# Altium PCB Backend_v2.PcbDoc (part 2 of 3) (continued)
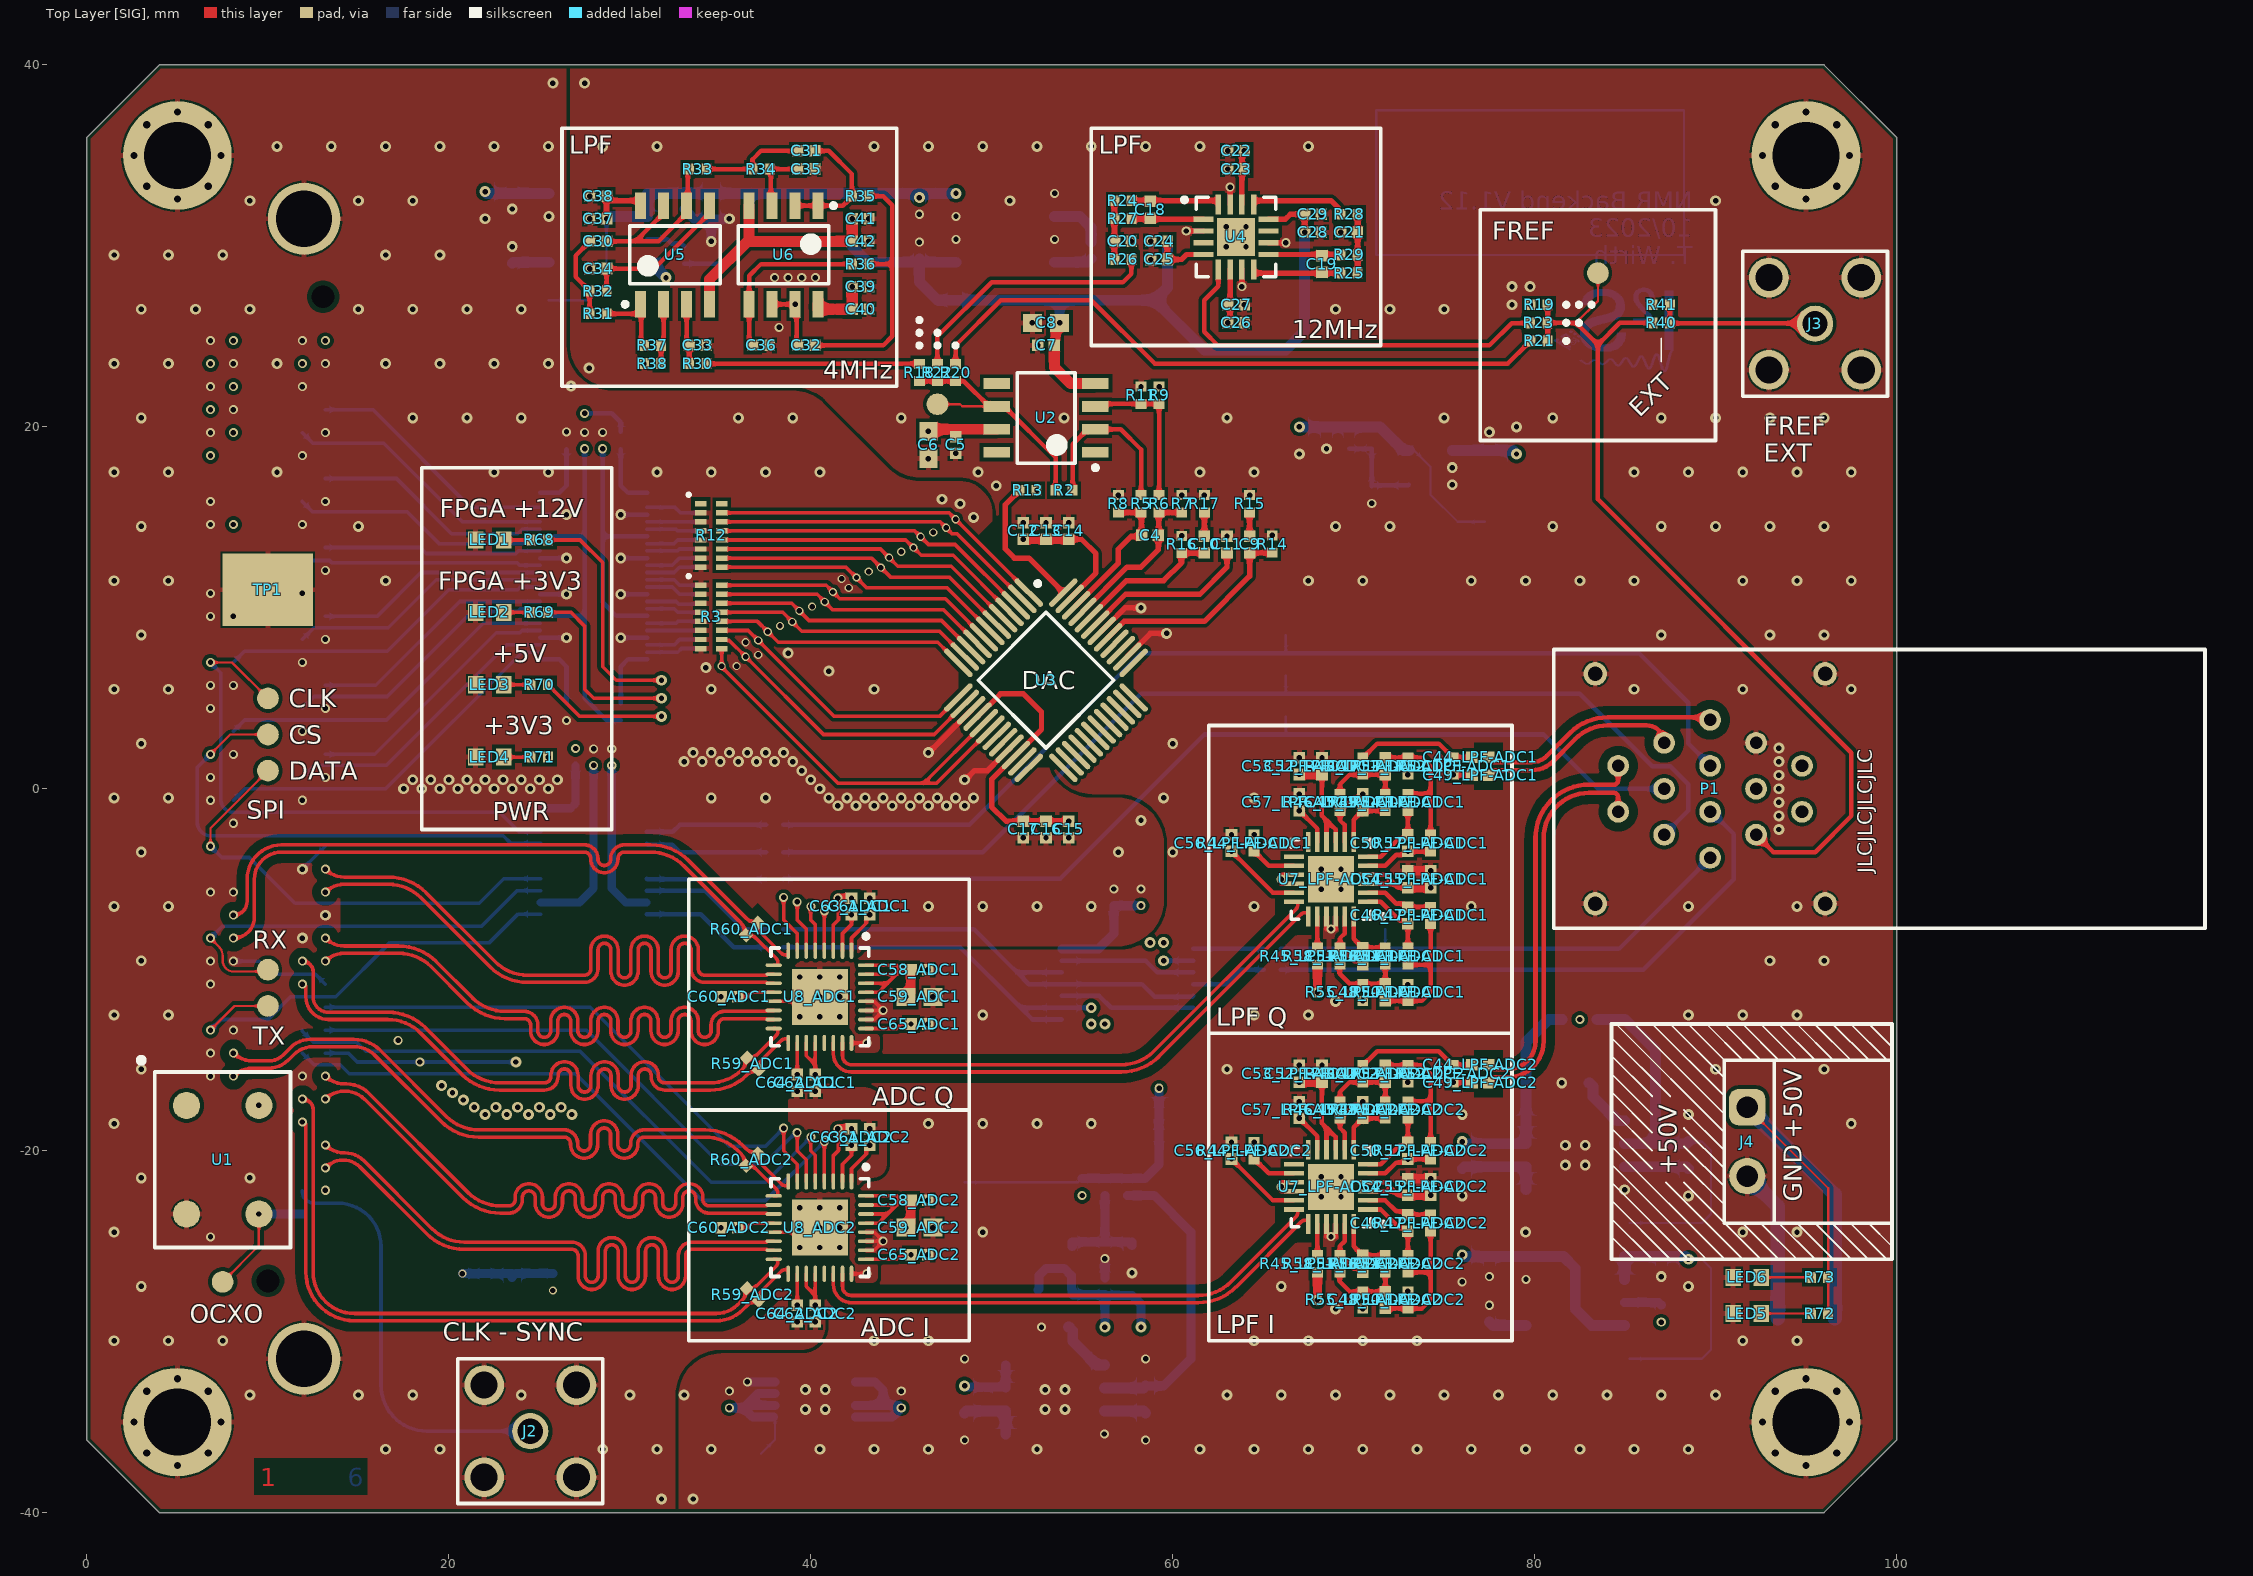
[diagram p0: Top Layer [SIG] view]
## Nets (pads, with @x,y where several pads share a name; then routed paths per layer and width w, separated by ;. In a path a pad name is that pad's centre, name@x,y a point inside that pad or via, vN(x,y) a via of type N, cw(c..) or ccw(c..) an arc to the next point about the centre after c; other vN are vias at no path point) (continued)
  Bottom Layer [SIG] w0.25: R85.2@38.475,-2 48.75,-2 58.25,7.5 66.25,7.5 85.75,7.5 88.5,4.75 88.5,2.5 89.7,1.3 P1.14@89.7,1.27
CLK_ASIC_SPI_FMC: J1.C26 pad.3@10,5 U18.8 | length 30.3
  Top Layer [SIG] w0.125: v2(6.825,6.985) 8.015,6.985 pad.3@10,5
  Bottom Layer [SIG] w0.2: v2(6.825,6.985) 7.4,6.41 7.4,-0.6 ccw(c8.1,-0.6) 8.1,-1.3 22.8,-1.3 23.875,-2.375 U18.8@25.075,-2.375
CLK_DAC_FMC: J1.D20 U19.26 | length 20.3
  Bottom Layer [SIG] w0.2: J1.D20@8.095,-0.635 8.73,0 16.5,0 24.05,7.55 U19.26@25.05,7.55
Clk_sync: J1.G3 J2.1 | length 23.5
  Bottom Layer [SIG] w0.2: J1.G3@11.905,-22.225 ccw(c12.58,-22.225) 12.58,-22.9 13.86,-22.9 cw(c13.86,-25.29) 16.25,-25.29 16.25,-32.96 ccw(c18.79,-32.96) 18.79,-35.5 J2.1@24.5,-35.5
CNV1_N: J1.D15 R60_ADC1.2 U8_ADC1.8 | length 37.4
  Top Layer [SIG] w0.2: v2(8.095,-6.985) ccw(c8.095,-6.23) 8.85,-6.23 8.85,-5 cw(c10.75,-5) 10.75,-3.1 24.875,-3.1 27.484,-3.1 cw(c27.484,-3.854) 28.238,-3.854 28.238,-3.885 ccw(c28.592,-3.885) 28.946,-3.885 28.946,-3.854 cw(c29.7,-3.854) 29.7,-3.1 30,-3.1 31.165,-3.1 cw(c31.165,-6.04) 33.244,-3.961 36.422,-7.139 ccw(c37.043,-6.518) 37.043,-7.396 cw(c37.043,-7.457) R60_ADC1.2@37.086,-7.414 cw(c37.043,-7.457) 37.104,-7.457 37.104,-7.626 ccw(c37.573,-7.626) 37.241,-7.958 38.367,-9.084 ccw(c38.609,-8.843) 38.609,-9.184 ccw(c38.609,-9.043) 38.75,-9.043 U8_ADC1.8@38.75,-8.95
CNV1_P: J1.D14 R60_ADC1.1 U8_ADC1.9 | length 38
  Top Layer [SIG] w0.2: v2(8.095,-8.255) ccw(c8.095,-7.1) 9.25,-7.1 9.25,-5 cw(c10.75,-5) 10.75,-3.5 24.875,-3.5 27.484,-3.5 cw(c27.484,-3.854) 27.838,-3.854 27.838,-3.885 ccw(c28.592,-3.885) 29.346,-3.885 29.346,-3.854 cw(c29.7,-3.854) 29.7,-3.5 30,-3.5 31.165,-3.5 cw(c31.165,-6.04) 32.961,-4.244 36.139,-7.422 cw(c35.518,-8.043) 36.396,-8.043 ccw(c36.457,-8.043) R60_ADC1.1@36.414,-8.086 ccw(c36.457,-8.043) 36.457,-8.104 36.626,-8.104 cw(c36.626,-8.573) 36.958,-8.241 38.084,-9.367 cw(c37.843,-9.609) 38.184,-9.609 cw(c38.043,-9.609) 38.043,-9.75 U8_ADC1.9@37.95,-9.75
CNV2_N: J1.D9 R60_ADC2.2 U8_ADC2.8 | length 38.3
  Top Layer [SIG] w0.2: v2(8.095,-14.605) ccw(c9.145,-13.555) 9.145,-15.04 10.047,-15.04 ccw(c10.05,-13.923) 10.84,-14.713 11.256,-14.297 cw(c12.334,-15.375) 12.334,-13.85 14.75,-13.85 cw(c14.75,-15.902) 16.201,-14.451 19.856,-18.106 ccw(c21.652,-16.31) 21.652,-18.85 25.485,-18.85 26.364,-18.85 cw(c26.364,-19.604) 27.118,-19.604 27.118,-19.661 ccw(c27.472,-19.661) 27.826,-19.661 27.826,-19.099 cw(c28.58,-19.099) 29.334,-19.099 29.334,-19.661 ccw(c29.688,-19.661) 30.042,-19.661 30.042,-19.604 cw(c30.796,-19.604) 30.796,-18.85 31.096,-18.85 34.165,-18.85 cw(c34.165,-21.79) 36.244,-19.711 36.422,-19.889 ccw(c37.043,-19.268) 37.043,-20.146 cw(c37.043,-20.207) R60_ADC2.2@37.086,-20.164 cw(c37.043,-20.207) 37.104,-20.207 37.104,-20.376 ccw(c37.573,-20.376) 37.241,-20.708 38.367,-21.834 ccw(c38.609,-21.593) 38.609,-21.934 ccw(c38.609,-21.793) 38.75,-21.793 U8_ADC2.8@38.75,-21.7
CNV2_P: J1.D8 R60_ADC2.1 U8_ADC2.9 | length 37.9
  Top Layer [SIG] w0.2: v2(8.095,-15.875) cw(c9.145,-16.925) 9.145,-15.44 10.13,-15.44 10.21,-15.432 ccw(c10.05,-13.923) 11.123,-14.996 11.422,-14.697 cw(c12.5,-15.775) 12.5,-14.25 14.75,-14.25 cw(c14.75,-15.902) 15.918,-14.734 19.573,-18.389 ccw(c21.652,-16.31) 21.652,-19.25 25.485,-19.25 26.364,-19.25 cw(c26.364,-19.604) 26.718,-19.604 26.718,-19.661 ccw(c27.472,-19.661) 28.226,-19.661 28.226,-19.099 cw(c28.58,-19.099) 28.934,-19.099 28.934,-19.661 ccw(c29.688,-19.661) 30.442,-19.661 30.442,-19.604 cw(c30.796,-19.604) 30.796,-19.25 31.096,-19.25 34.165,-19.25 cw(c34.165,-21.79) 35.961,-19.994 36.139,-20.172 cw(c35.518,-20.793) 36.396,-20.793 ccw(c36.457,-20.793) R60_ADC2.1@36.414,-20.836 ccw(c36.457,-20.793) 36.457,-20.854 36.626,-20.854 cw(c36.626,-21.323) 36.958,-20.991 38.084,-22.117 cw(c37.843,-22.359) 38.184,-22.359 cw(c38.043,-22.359) 38.043,-22.5 U8_ADC2.9@37.95,-22.5
DAC_3V3_D0: R4.2 U19.22 | length 3.1
  Bottom Layer [SIG] w0.2: U19.22@30.95,7.95 32.45,7.95 32.75,8.25 R4.2@33.925,8.25
DAC_3V3_D1: R4.3 U19.20 | length 3
  Bottom Layer [SIG] w0.2: U19.20@30.95,8.75 R4.3@33.925,8.75
DAC_3V3_D2: R4.4 U19.19 | length 3
  Bottom Layer [SIG] w0.2: U19.19@30.95,9.15 32.55,9.15 32.65,9.25 R4.4@33.925,9.25
DAC_3V3_D3: R4.5 U19.17 | length 3.1
  Bottom Layer [SIG] w0.2: U19.17@30.95,9.95 32.45,9.95 32.65,9.75 R4.5@33.925,9.75
DAC_3V3_D4: R4.6 U19.16 | length 3.1
  Bottom Layer [SIG] w0.2: U19.16@30.95,10.35 32.55,10.35 32.7,10.2 33.875,10.2 R4.6@33.925,10.25
DAC_3V3_D5: R4.7 U19.14 | length 3.1
  Bottom Layer [SIG] w0.2: U19.14@30.95,11.15 32.35,11.15 32.75,10.75 R4.7@33.925,10.75
DAC_3V3_D6: R4.8 U19.13 | length 3.1
  Bottom Layer [SIG] w0.2: U19.13@30.95,11.55 32.45,11.55 32.75,11.25 R4.8@33.925,11.25
DAC_3V3_D7: R10.1 U19.12 | length 3.1
  Bottom Layer [SIG] w0.2: U19.12@30.95,11.95 32.45,11.95 32.75,12.25 R10.1@33.925,12.25
DAC_3V3_D8: R10.2 U19.11 | length 3.1
  Bottom Layer [SIG] w0.2: U19.11@30.95,12.35 32.35,12.35 32.75,12.75 R10.2@33.925,12.75
DAC_3V3_D9: R10.3 U19.9 | length 3
  Bottom Layer [SIG] w0.2: U19.9@30.95,13.15 32.65,13.15 32.75,13.25 R10.3@33.925,13.25
DAC_3V3_D10: R10.4 U19.8 | length 3.1
  Bottom Layer [SIG] w0.2: U19.8@30.95,13.55 32.45,13.55 32.65,13.75 R10.4@33.925,13.75
DAC_3V3_D11: R10.5 U19.6 | length 3
  Bottom Layer [SIG] w0.2: U19.6@30.95,14.35 32.55,14.35 32.65,14.25 R10.5@33.925,14.25
DAC_3V3_D12: R10.6 U19.5 | length 3
  Bottom Layer [SIG] w0.2: U19.5@30.95,14.75 R10.6@33.925,14.75
DAC_3V3_D13: R10.7 U19.3 | length 3.1
  Bottom Layer [SIG] w0.2: U19.3@30.95,15.55 32.5,15.55 32.8,15.25 R10.7@33.925,15.25
DAC_CLKin: R3.9 R4.16 U3.17 U3.18 | length 25.5
  Top Layer [SIG] w0.2: R3.9@35.075,7.75 v5(35.075,6.778) 35.075,6.725 41.5,0.3 46.239,0.3 ; U3.17@49.571,3.631 46.239,0.3 ; U3.18@49.924,3.278 46.946,0.3 46.239,0.3
  Bottom Layer [SIG] w0.2: v5(35.075,6.778) R4.16@35.075,7.75
DAC_FMC_D0: J1.G21 U19.27 | length 16.2
  Bottom Layer [SIG] w0.2: J1.G21@11.905,0.635 12.57,1.3 16.55,1.3 23.2,7.95 U19.27@25.05,7.95
DAC_FMC_D1: J1.H22 U19.29 | length 14.7
  Bottom Layer [SIG] w0.2: J1.H22@13.175,1.905 15.905,1.905 22.625,8.625 23.925,8.625 24.023,8.723 24.05,8.75 U19.29@25.05,8.75
DAC_FMC_D2: J1.D23 U19.30 | length 19.4
  Bottom Layer [SIG] w0.2: J1.D23@8.095,3.175 8.72,3.8 16.55,3.8 21.9,9.15 U19.30@25.05,9.15
DAC_FMC_D3: J1.G24 U19.32 | length 15.4
  Bottom Layer [SIG] w0.2: J1.G24@11.905,4.445 12.56,5.1 16.6,5.1 21.3,9.8 23.8,9.8 23.948,9.948 23.95,9.95 U19.32@25.05,9.95
DAC_FMC_D4: J1.H25 U19.33 | length 13.8
  Bottom Layer [SIG] w0.2: J1.H25@13.175,5.715 15.965,5.715 20.6,10.35 U19.33@25.05,10.35
DAC_FMC_D5: J1.D26 U19.35 | length 18.7
  Bottom Layer [SIG] w0.2: J1.D26@8.095,6.985 8.71,7.6 16.6,7.6 20,11 23.8,11 23.95,11.15 U19.35@25.05,11.15
DAC_FMC_D6: J1.G27 U19.36 | length 14.5
  Bottom Layer [SIG] w0.2: J1.G27@11.905,8.255 12.55,8.9 16.65,8.9 19.3,11.55 U19.36@25.05,11.55
DAC_FMC_D7: J1.H28 U19.37 | length 12.9
  Bottom Layer [SIG] w0.2: J1.H28@13.175,9.525 16.025,9.525 18.45,11.95 U19.37@25.05,11.95
DAC_FMC_D8: J1.G30 U19.38 | length 13.5
  Bottom Layer [SIG] w0.2: J1.G30@11.905,12.065 12.455,12.615 13.403,12.615 13.518,12.5 23.75,12.5 23.9,12.35 U19.38@25.05,12.35
DAC_FMC_D9: J1.H31 U19.40 | length 12.1
  Bottom Layer [SIG] w0.2: J1.H31@13.175,13.335 18.415,13.335 18.75,13 23.7,13 23.85,13.15 U19.40@25.05,13.15
DAC_FMC_D10: J1.G33 U19.41 | length 14.1
  Bottom Layer [SIG] w0.2: J1.G33@11.905,15.875 12.48,15.3 17.7,15.3 19.45,13.55 U19.41@25.05,13.55
DAC_FMC_D11: J1.H34 U19.43 | length 13.2
  Bottom Layer [SIG] w0.2: J1.H34@13.175,17.145 17.105,17.145 20.15,14.1 23.8,14.1 24.05,14.35 U19.43@25.05,14.35
DAC_FMC_D12: J1.G36 U19.44 | length 15.2
  Bottom Layer [SIG] w0.2: J1.G36@11.905,19.685 12.49,19.1 16.4,19.1 20.75,14.75 U19.44@25.05,14.75
DAC_FMC_D13: J1.H37 U19.46 | length 14.1
  Bottom Layer [SIG] w0.2: J1.H37@13.175,20.955 15.795,20.955 21.2,15.55 U19.46@25.05,15.55
DAC_in0: R3.10 R4.15 U3.14 | length 18
  Top Layer [SIG] w0.2: R3.10@35.075,8.25 35.125,8.2 35.5,8.2 v5(36.4,7.3) 40.7,3 46.818,3 U3.14@48.51,4.692
  Bottom Layer [SIG] w0.2: R4.15@35.075,8.25 35.125,8.2 35.5,8.2 v5(36.4,7.3)
DAC_in1: R3.11 R4.14 U3.13 | length 17.7
  Top Layer [SIG] w0.2: R3.11@35.075,8.75 36.55,8.75 41.3,4 47.111,4 U3.13@48.156,5.045
  Bottom Layer [SIG] w0.2: R4.14@35.075,8.75 36.55,8.75 v5(37.1,8.2)
DAC_in2: R3.12 R4.13 U3.12 | length 16.8
  Top Layer [SIG] w0.2: R3.12@35.075,9.25 37.05,9.25 v5(37.625,8.675) 38.2,8.1 47.011,8.1 U3.12@48.156,6.955
  Bottom Layer [SIG] w0.2: R4.13@35.075,9.25 37.05,9.25 v5(37.625,8.675)
DAC_in3: R3.13 R4.12 U3.11 | length 18.6
  Top Layer [SIG] w0.2: R3.13@35.075,9.75 38.45,9.75 39.5,8.7 47.118,8.7 U3.11@48.51,7.308
  Bottom Layer [SIG] w0.2: R4.12@35.075,9.75 38.45,9.75 v5(38.975,9.225)
DAC_in4: R3.14 R4.11 U3.10 | length 19.3
  Top Layer [SIG] w0.2: R3.14@35.075,10.25 38.95,10.25 39.9,9.3 47.225,9.3 U3.10@48.863,7.662
  Bottom Layer [SIG] w0.2: R4.11@35.075,10.25 38.946,10.25 v5(39.367,9.829)
DAC_in5: R3.15 R4.10 U3.9 | length 21.2
  Top Layer [SIG] w0.2: R3.15@35.075,10.75 40.35,10.75 41.2,9.9 47.332,9.9 U3.9@49.217,8.015
  Bottom Layer [SIG] w0.2: R4.10@35.075,10.75 40.35,10.75 v5(40.775,10.325)
DAC_in6: R3.16 R4.9 U3.8 | length 22
  Top Layer [SIG] w0.2: R3.16@35.075,11.25 40.85,11.25 41.6,10.5 47.439,10.5 U3.8@49.571,8.369
  Bottom Layer [SIG] w0.2: R4.9@35.075,11.25 40.85,11.25 v5(41.225,10.875)
DAC_in7: R10.16 R12.9 U3.7 | length 24
  Top Layer [SIG] w0.2: R12.9@35.075,12.25 41.95,12.25 43.1,11.1 47.546,11.1 U3.7@49.924,8.722
  Bottom Layer [SIG] w0.2: R10.16@35.075,12.25 41.95,12.25 v5(42.525,11.675)
DAC_in8: R10.15 R12.10 U3.6 | length 25.7
  Top Layer [SIG] w0.2: R12.10@35.075,12.75 43.35,12.75 44.4,11.7 47.654,11.7 U3.6@50.278,9.076
  Bottom Layer [SIG] w0.2: R10.15@35.075,12.75 43.35,12.75 v5(43.875,12.225)
DAC_in9: R10.14 R12.11 U3.5 | length 26.6
  Top Layer [SIG] w0.2: R12.11@35.075,13.25 43.85,13.25 v5(44.325,12.775) 44.8,12.3 47.761,12.3 U3.5@50.631,9.429
  Bottom Layer [SIG] w0.2: R10.14@35.075,13.25 43.85,13.25 v5(44.325,12.775)
DAC_in10: R10.13 R12.12 U3.4 | length 28.3
  Top Layer [SIG] w0.2: R12.12@35.075,13.75 45.25,13.75 v5(45.675,13.325) 46.1,12.9 47.868,12.9 U3.4@50.985,9.783
  Bottom Layer [SIG] w0.2: R10.13@35.075,13.75 45.25,13.75 v5(45.675,13.325)
DAC_in11: R10.12 R12.13 U3.3 | length 29.1
  Top Layer [SIG] w0.2: R12.13@35.075,14.25 45.75,14.25 46.5,13.5 47.975,13.5 U3.3@51.338,10.137
  Bottom Layer [SIG] w0.2: R10.12@35.075,14.25 45.746,14.25 v5(46.067,13.929)
DAC_in12: R10.11 R12.14 U3.2 | length 30.9
  Top Layer [SIG] w0.2: R12.14@35.075,14.75 47.15,14.75 v5(47.475,14.425) 47.8,14.1 48.082,14.1 U3.2@51.692,10.49
  Bottom Layer [SIG] w0.2: R10.11@35.075,14.75 47.15,14.75 v5(47.475,14.425)
DAC_in13: R10.10 R12.15 U3.1 | length 31.9
  Top Layer [SIG] w0.2: R12.15@35.075,15.25 47.639,15.25 U3.1@52.045,10.844
  Bottom Layer [SIG] w0.2: R10.10@35.075,15.25 47.612,15.25 47.966,14.896 v5(48,14.896)
DATA_ASIC_SPI_3V3: P1.11 pad.3@66.25,4 R83.2 | length 54.2
  Bottom Layer [SIG] w0.125: 66.25,3 pad.3@66.25,4
  Bottom Layer [SIG] w0.25: R83.2@38.475,-5 38.5,-4.975 53.775,-4.975 61.75,3 66.25,3 80.5,3 83.5,0 P1.11@87.16,0
DATA_ASIC_SPI_FMC: J1.C18 pad.3@10,1 U18.4 | length 25.6
  Top Layer [SIG] w0.125: v2(6.825,-3.175) 6.825,-2.175 pad.3@10,1
  Bottom Layer [SIG] w0.2: v2(6.825,-3.175) 7.45,-3.8 8.975,-3.8 11.5,-6.325 21.675,-6.325 23.025,-4.975 U18.4@25.075,-4.975
DCO1_N: J1.H14 U8_ADC1.14 | length 37.6
  Top Layer [SIG] w0.2: v2(13.175,-8.255) ccw(c14.225,-7.205) 14.225,-8.69 17.222,-8.69 cw(c17.222,-11.63) 19.301,-9.551 21.306,-11.556 ccw(c23.102,-9.76) 23.102,-12.3 23.296,-12.3 24.162,-12.3 cw(c24.162,-13.054) 24.916,-13.054 24.916,-13.382 ccw(c25.27,-13.382) 25.624,-13.382 25.624,-12.825 cw(c26.378,-12.825) 27.132,-12.825 27.132,-13.382 ccw(c27.486,-13.382) 27.84,-13.382 27.84,-12.825 cw(c28.594,-12.825) 29.348,-12.825 29.348,-13.382 ccw(c29.702,-13.382) 30.056,-13.382 30.056,-12.825 cw(c30.81,-12.825) 31.564,-12.825 31.564,-13.382 ccw(c31.918,-13.382) 32.272,-13.382 32.272,-12.825 cw(c33.026,-12.825) 33.78,-12.825 33.78,-13.382 ccw(c34.134,-13.382) 34.488,-13.382 34.488,-13.054 cw(c35.242,-13.054) 35.242,-12.3 35.542,-12.3 37.515,-12.3 ccw(c37.515,-12.215) 37.575,-12.275 cw(c37.635,-12.335) 37.635,-12.25 U8_ADC1.14@37.95,-12.25
DCO1_P: J1.H13 U8_ADC1.15 | length 37.6
  Top Layer [SIG] w0.2: v2(13.175,-9.525) cw(c14.225,-10.575) 14.225,-9.09 17.222,-9.09 cw(c17.222,-11.63) 19.018,-9.834 21.023,-11.839 ccw(c23.102,-9.76) 23.102,-12.7 23.296,-12.7 24.162,-12.7 cw(c24.162,-13.054) 24.516,-13.054 24.516,-13.382 ccw(c25.27,-13.382) 26.024,-13.382 26.024,-12.825 cw(c26.378,-12.825) 26.732,-12.825 26.732,-13.382 ccw(c27.486,-13.382) 28.24,-13.382 28.24,-12.825 cw(c28.594,-12.825) 28.948,-12.825 28.948,-13.382 ccw(c29.702,-13.382) 30.456,-13.382 30.456,-12.825 cw(c30.81,-12.825) 31.164,-12.825 31.164,-13.382 ccw(c31.918,-13.382) 32.672,-13.382 32.672,-12.825 cw(c33.026,-12.825) 33.38,-12.825 33.38,-13.382 ccw(c34.134,-13.382) 34.888,-13.382 34.888,-13.054 cw(c35.242,-13.054) 35.242,-12.7 35.542,-12.7 37.515,-12.7 cw(c37.515,-12.785) 37.575,-12.725 ccw(c37.635,-12.665) 37.635,-12.75 U8_ADC1.15@37.95,-12.75
DCO2_N: J1.H5 U8_ADC2.14 | length 38.2
  Top Layer [SIG] w0.2: v2(13.175,-19.685) ccw(c14.225,-18.635) 14.225,-20.12 14.24,-20.12 cw(c14.24,-21.641) 15.315,-20.565 19.056,-24.306 ccw(c20.852,-22.51) 20.852,-25.05 25.751,-25.05 26.787,-25.05 cw(c26.787,-25.804) 27.541,-25.804 27.541,-26.919 ccw(c27.895,-26.919) 28.249,-26.919 28.249,-25.557 cw(c29.003,-25.557) 29.757,-25.557 29.757,-26.919 ccw(c30.111,-26.919) 30.465,-26.919 30.465,-25.557 cw(c31.219,-25.557) 31.973,-25.557 31.973,-26.919 ccw(c32.327,-26.919) 32.681,-26.919 32.681,-25.804 cw(c33.435,-25.804) 33.435,-25.05 33.735,-25.05 37.515,-25.05 ccw(c37.515,-24.965) 37.575,-25.025 cw(c37.635,-25.085) 37.635,-25 U8_ADC2.14@37.95,-25
DCO2_P: J1.H4 U8_ADC2.15 | length 38.2
  Top Layer [SIG] w0.2: v2(13.175,-20.955) 13.223,-20.907 cw(c14.157,-21.841) 14.157,-20.52 cw(c14.157,-21.841) 15.091,-20.907 18.773,-24.589 ccw(c20.852,-22.51) 20.852,-25.45 25.751,-25.45 26.787,-25.45 cw(c26.787,-25.804) 27.141,-25.804 27.141,-26.919 ccw(c27.895,-26.919) 28.649,-26.919 28.649,-25.557 cw(c29.003,-25.557) 29.357,-25.557 29.357,-26.919 ccw(c30.111,-26.919) 30.865,-26.919 30.865,-25.557 cw(c31.219,-25.557) 31.573,-25.557 31.573,-26.919 ccw(c32.327,-26.919) 33.081,-26.919 33.081,-25.804 cw(c33.435,-25.804) 33.435,-25.45 33.735,-25.45 37.515,-25.45 cw(c37.515,-25.535) 37.575,-25.475 ccw(c37.635,-25.415) 37.635,-25.5 U8_ADC2.15@37.95,-25.5
DGND: C1.2 C2.2 C3.2 C15.2 C16.2 C17.2 C60_ADC1.2 C60_ADC2.2 C61_ADC1.2 C61_ADC2.2 C62_ADC1.2 C62_ADC2.2 C64_ADC1.2 C64_ADC2.2 C69.2 C70.2 C73.2 C92.2 C93.2 C104.2 C105.2 C106.2 C107.2 J1.C1 J1.C4 J1.C5 J1.C8 J1.C9 J1.C12 J1.C13 J1.C16 J1.C17 J1.C20 J1.C21 J1.C24 J1.C25 J1.C28 J1.C29 J1.C32 J1.C33 J1.C36 J1.C38 J1.C40 J1.D2 J1.D3 J1.D6 J1.D7 J1.D10 J1.D13 J1.D16 J1.D19 J1.D22 J1.D25 J1.D28 J1.D37 J1.D39 J1.G1 J1.G4 J1.G5 J1.G8 J1.G11 J1.G14 J1.G17 J1.G20 J1.G23 J1.G26 J1.G29 J1.G32 J1.G35 J1.G38 J1.G40 J1.H3 J1.H6 J1.H9 J1.H12 J1.H15 J1.H18 J1.H21 J1.H24 J1.H27 J1.H30 J1.H33 J1.H36 J1.H39 J2.2 LED1.2 LED2.2 LED3.2 LED4.2 pad.0@5,35 pad.0@5,-35 pad.0@12,31.501 pad.0@12,-31.499 R3.1 R3.2 R3.3 R3.4 R3.5 R3.6 R3.7 R3.8 R12.2 R12.3 R12.4 R12.5 R12.6 R12.7 R12.8 R61.1 R81.2 R87.2 TP1.1 TP2.1 U1.2 U3.15 U3.21 U8_ADC1.13 U8_ADC1.24 U8_ADC1.33 U8_ADC2.13 U8_ADC2.24 U8_ADC2.33 U10.3 U15.7 U18.11 U19.4 U19.10 U19.15 U19.21 U19.28 U19.34 U19.39 U19.45 | length 41.1
  Top Layer [SIG] w0.2: U8_ADC2.13@37.95,-24.5 39.15,-24.5 ccw(c39.15,-24.25) v4(39.4,-24.25) ; U8_ADC1.13@37.95,-11.75 39.15,-11.75 ccw(c39.15,-11.5) v4(39.4,-11.5) ; U8_ADC2.24@42.25,-26.8 v2(43.1,-26.8) ; U8_ADC1.24@42.25,-14.05 v2(43.1,-14.05)
  Top Layer [SIG] w0.3: v1(46.5,2) 46.525,2 U3.15@48.863,4.338 ; v1(48.5,0.5) 48.561,0.5 49.061,1 49.768,1 U3.21@50.985,2.217
  Bottom Layer [SIG] w0.2: v2(8.095,-9.525) 9.525,-9.525 10.245,-10.245 12.625,-10.245 J1.H12@13.175,-10.795 ; v1(11.905,-4.445) J1.H18@13.175,-3.175 ; J1.H9@13.175,-14.605 14.446,-14.605 14.941,-15.1 v2(18.4,-15.1) v1(23.7,-15.1)
  Bottom Layer [SIG] w0.25: U19.28@25.05,8.35 v1(26.5,8.35) ; U19.34@25.05,10.75 v1(26.5,10.75) ; U19.39@25.05,12.75 v1(26.5,12.75) ; U19.45@25.05,15.15 v1(26.5,15.15) ; v1(29.5,8.35) U19.21@30.95,8.35 ; v1(29.5,10.75) U19.15@30.95,10.75 ; v1(29.5,12.75) U19.10@30.95,12.75 ; v1(29.5,15.15) U19.4@30.95,15.15
  other v1: 31.75,-39.25 16.5,-36.5 19.5,-36.5 28.5,-36.5 31.5,-36.5 9,-33.5 15,-33.5 18,-33.5 24,-33.5 30,-33.5 1.5,-30.5 4.5,-30.5 7.5,-30.5 3,-27.5 1.5,-24.5 3,-21.5 9,-21.5 1.5,-18.5 22,-18 23.2,-18 24.4,-18 25.6,-18 26.8,-18 21.4,-17.6 22.6,-17.6 23.8,-17.6 25,-17.6 26.2,-17.6 20.8,-17.2 20.2,-16.8 19.6,-16.4 3,-15.5 55.5,-13 56.25,-13 1.5,-12.5 4.5,-12.5 3,-9.5 58.75,-8.5 59.5,-8.5 11.905,-8.255 13.175,-6.985 1.5,-6.5 4.5,-6.5 46.5,-6.5 49.5,-6.5 52.5,-6.5 55.5,-6.5 3,-3.5 57,-3.5 58.25,-1.75 41.5,-0.94 42.5,-0.94 43.5,-0.94 44.5,-0.94 45.5,-0.94 46.5,-0.94 47.5,-0.94 48.5,-0.94 1.5,-0.5 4.5,-0.5 34.5,-0.5 37.5,-0.5 41,-0.5 42,-0.5 43,-0.5 44,-0.5 45,-0.5 46,-0.5 47,-0.5 48,-0.5 49,-0.5 17.5,0 18.5,0 19.5,0 20.5,0 21.5,0 22.5,0 23.5,0 24.5,0 25.5,0 40.5,0 18,0.5 19,0.5 20,0.5 21,0.5 22,0.5 23,0.5 24,0.5 25,0.5 26,0.5 40,0.5 39.5,1 33,1.5 34,1.5 35,1.5 36,1.5 37,1.5 38,1.5 39,1.5 33.5,2 34.5,2 35.5,2 36.5,2 37.5,2 38.5,2 3,2.5 1.5,5.5 4.5,5.5 34.5,5.5 43.5,5.5 41,6.5 34.2,6.7 38.75,7.5 3,8.5 1.5,11.5 4.5,11.5 16.5,11.5 3,14.5 15,14.5 49,15 48.25,15.75 47.25,16 1.5,17.5 4.5,17.5 10.5,17.5 22.5,17.5 25.5,17.5 31.5,17.5 34.5,17.5 37.5,17.5 40.5,17.5 3,20.5 18,20.5 21,20.5 24,20.5 36,20.5 39,20.5 26.75,22.25 1.5,23.5 4.5,23.5 10.5,23.5 16.5,23.5 19.5,23.5 22.5,23.5 25.5,23.5 3,26.5 6,26.5 9,26.5 15,26.5 18,26.5 21,26.5 24,26.5 1.5,29.5 4.5,29.5 7.5,29.5 16.5,29.5 19.5,29.5 23.5,29.96 22,31.5 25.525,31.635 23.5,32.04 9,32.5 15,32.5 18,32.5 10.5,35.5 13.5,35.5 16.5,35.5 19.5,35.5 22.5,35.5 25.5,35.5 25.75,39
  other v2: 39.25,-29.46 40.25,-29.46 6.825,-24.765 35.04,-24.25 13.18,-22.185 43.25,-18.79 39.25,-16.71 40.25,-16.71 6.825,-15.875 11.905,-15.875 6.825,-14.605 17.2,-13.9 8.095,-13.335 35.04,-11.5 6.825,-10.795 6.825,-9.525 43.25,-6.04 6.825,-5.715 8.095,-5.715 56.75,-5.54 58.25,-5.54 51.75,-2.71 53,-2.71 54.25,-2.71 8.095,-1.905 6.825,-0.635 11.905,-0.635 6.825,0.635 13.175,0.635 8.095,1.905 28,2.21 29,2.21 11.905,3.175 26.5,3.775 6.825,4.445 13.175,4.445 6.825,5.715 8.095,5.715 11.905,6.985 13.175,8.255 6.825,9.525 8.095,9.525 6.825,10.795 11.905,10.795 13.175,12.065 6.825,14.605 11.905,14.605 6.825,15.875 13.175,15.875 11.905,18.415 6.825,19.685 13.175,19.685 27.5,19.7 28.5,19.7 26.5,19.725 8.095,20.955 6.825,22.225 11.905,22.225 8.095,23.495 13.175,23.495 6.825,24.765 11.905,24.765
  other v3: 5,-37.4 3.3,-36.7 6.7,-36.7 2.6,-35 7.4,-35 3.3,-33.3 6.7,-33.3 5,-32.6 5,32.6 3.3,33.3 6.7,33.3 2.6,35 7.4,35 3.3,36.7 6.7,36.7 5,37.4
  other v4: 39.4,-25.35 40.5,-25.35 41.6,-25.35 40.5,-24.25 41.6,-24.25 39.4,-23.15 40.5,-23.15 41.6,-23.15 39.4,-12.6 40.5,-12.6 41.6,-12.6 40.5,-11.5 41.6,-11.5 39.4,-10.4 40.5,-10.4 41.6,-10.4
  other v5: 35.9,6.778 37.1,7.4 36.4,8.1 38.3,9 40.071,10.071 42.1,11.1 41.7,11.6 43.2,12 45,13.1 46.771,14.171
DOUT1_N: J1.H17 U8_ADC1.10 | length 37.6
  Top Layer [SIG] w0.2: v2(13.175,-4.445) ccw(c14.225,-3.395) 14.225,-4.88 16.662,-4.88 cw(c16.662,-7.82) 18.741,-5.741 22.556,-9.556 ccw(c24.352,-7.76) 24.352,-10.3 26.248,-10.3 27.489,-10.3 ccw(c27.489,-9.946) 27.843,-9.946 27.843,-8.895 cw(c28.597,-8.895) 29.351,-8.895 29.351,-10.099 ccw(c29.705,-10.099) 30.059,-10.099 30.059,-8.895 cw(c30.813,-8.895) 31.567,-8.895 31.567,-10.099 ccw(c31.921,-10.099) 32.275,-10.099 32.275,-8.895 cw(c33.029,-8.895) 33.783,-8.895 33.783,-9.946 ccw(c34.137,-9.946) 34.137,-10.3 35.545,-10.3 37.515,-10.3 ccw(c37.515,-10.215) 37.575,-10.275 cw(c37.635,-10.335) 37.635,-10.25 U8_ADC1.10@37.95,-10.25
DOUT1_P: J1.H16 U8_ADC1.11 | length 37.6
  Top Layer [SIG] w0.2: v2(13.175,-5.715) cw(c14.225,-6.765) 14.225,-5.28 16.662,-5.28 cw(c16.662,-7.82) 18.458,-6.024 22.273,-9.839 ccw(c24.352,-7.76) 24.352,-10.7 26.248,-10.7 27.489,-10.7 ccw(c27.489,-9.946) 28.243,-9.946 28.243,-8.895 cw(c28.597,-8.895) 28.951,-8.895 28.951,-10.099 ccw(c29.705,-10.099) 30.459,-10.099 30.459,-8.895 cw(c30.813,-8.895) 31.167,-8.895 31.167,-10.099 ccw(c31.921,-10.099) 32.675,-10.099 32.675,-8.895 cw(c33.029,-8.895) 33.383,-8.895 33.383,-9.946 ccw(c34.137,-9.946) 34.137,-10.7 35.545,-10.7 37.515,-10.7 cw(c37.515,-10.785) 37.575,-10.725 ccw(c37.635,-10.665) 37.635,-10.75 U8_ADC1.11@37.95,-10.75
DOUT2_N: J1.H8 U8_ADC2.10 | length 36.8
  Top Layer [SIG] w0.2: v2(13.175,-15.875) ccw(c14.225,-14.825) 14.225,-16.31 14.335,-16.31 cw(c14.335,-18.06) 15.573,-16.823 21.056,-22.306 ccw(c22.852,-20.51) 22.852,-23.05 23.01,-23.05 23.31,-23.05 ccw(c23.31,-22.696) 23.664,-22.696 23.664,-22.575 cw(c24.418,-22.575) 25.172,-22.575 25.172,-22.919 ccw(c25.526,-22.919) 25.88,-22.919 25.88,-22.575 cw(c26.634,-22.575) 27.388,-22.575 27.388,-22.919 ccw(c27.742,-22.919) 28.096,-22.919 28.096,-22.575 cw(c28.85,-22.575) 29.604,-22.575 29.604,-22.919 ccw(c29.958,-22.919) 30.312,-22.919 30.312,-22.575 cw(c31.066,-22.575) 31.82,-22.575 31.82,-22.919 ccw(c32.174,-22.919) 32.528,-22.919 32.528,-22.575 cw(c33.282,-22.575) 34.036,-22.575 34.036,-22.696 ccw(c34.39,-22.696) 34.39,-23.05 35.27,-23.05 37.515,-23.05 ccw(c37.515,-22.965) 37.575,-23.025 cw(c37.635,-23.085) 37.635,-23 U8_ADC2.10@37.95,-23
DOUT2_P: J1.H7 U8_ADC2.11 | length 36.8
  Top Layer [SIG] w0.2: v2(13.175,-17.145) cw(c14.225,-18.195) 14.225,-16.71 14.252,-16.71 cw(c14.252,-18.26) 15.348,-17.164 20.773,-22.589 ccw(c22.852,-20.51) 22.852,-23.45 23.01,-23.45 23.31,-23.45 ccw(c23.31,-22.696) 24.064,-22.696 24.064,-22.575 cw(c24.418,-22.575) 24.772,-22.575 24.772,-22.919 ccw(c25.526,-22.919) 26.28,-22.919 26.28,-22.575 cw(c26.634,-22.575) 26.988,-22.575 26.988,-22.919 ccw(c27.742,-22.919) 28.496,-22.919 28.496,-22.575 cw(c28.85,-22.575) 29.204,-22.575 29.204,-22.919 ccw(c29.958,-22.919) 30.712,-22.919 30.712,-22.575 cw(c31.066,-22.575) 31.42,-22.575 31.42,-22.919 ccw(c32.174,-22.919) 32.928,-22.919 32.928,-22.575 cw(c33.282,-22.575) 33.636,-22.575 33.636,-22.696 ccw(c34.39,-22.696) 34.39,-23.45 35.27,-23.45 37.515,-23.45 cw(c37.515,-23.535) 37.575,-23.475 ccw(c37.635,-23.415) 37.635,-23.5 U8_ADC2.11@37.95,-23.5
EN0: J1.G9 U8_ADC1.4 U8_ADC2.4 | length 78.3
  Top Layer [SIG] w0.2: U8_ADC2.4@40.75,-21.7 v2(40.75,-19.5) ; U8_ADC1.4@40.75,-8.95 v2(40.75,-6.75)
  Mid Layer 2 [SIG] w0.2: v2(40.75,-19.5) 37.5,-22.75 34,-22.75 30.75,-19.5 30.75,-6.5 34.25,-3 39.75,-3 40.75,-4 v2(40.75,-6.75)
  Bottom Layer [SIG] w0.2: J1.G9@11.905,-14.605 12.55,-15.25 14,-15.25 14.5,-15.75 27,-15.75 34,-22.75 37.5,-22.75 v2(40.75,-19.5)
EN1: J1.G10 U8_ADC1.5 U8_ADC2.5 | length 71.8
  Top Layer [SIG] w0.2: v2(40,-19.25) 40,-20 40.25,-20.25 U8_ADC2.5@40.25,-21.7 ; v2(40,-6.5) 40,-7.25 40.25,-7.5 U8_ADC1.5@40.25,-8.95
  Mid Layer 2 [SIG] w0.2: v2(40,-19.25) 37.5,-21.75 34.5,-21.75 31.75,-19 31.75,-7 34.75,-4 39.25,-4 40,-4.75 v2(40,-6.5)
  Bottom Layer [SIG] w0.2: J1.G10@11.905,-13.335 11.905,-13.405 12.5,-14 14.9,-14 15.4,-14.5 27.25,-14.5 34.5,-21.75 37.5,-21.75 v2(40,-19.25) v2@40.05,-19.2
EN2: J1.H10 U8_ADC1.6 U8_ADC2.6 | length 63.4
  Top Layer [SIG] w0.2: v2(39.25,-19) 39.25,-20 39.75,-20.5 U8_ADC2.6@39.75,-21.7 ; v2(39.25,-6.25) 39.25,-7.25 39.75,-7.75 U8_ADC1.6@39.75,-8.95
  Mid Layer 2 [SIG] w0.2: v2(39.25,-19) 37.5,-20.75 35,-20.75 32.75,-18.5 32.75,-7.5 35.25,-5 38.75,-5 39.25,-5.5 v2(39.25,-6.25)
  Bottom Layer [SIG] w0.2: J1.H10@13.175,-13.335 27.585,-13.335 35,-20.75 37.419,-20.75 39.169,-19 v2(39.25,-19) v2@39.2,-18.95
EN3: J1.H11 U8_ADC1.7 U8_ADC2.7 | length 56.9
  Top Layer [SIG] w0.2: v2(38.5,-18.75) 38.5,-20 39.25,-20.75 U8_ADC2.7@39.25,-21.7 ; v2(38.5,-6) 38.5,-7.25 39.25,-8 U8_ADC1.7@39.25,-8.95
  Mid Layer 2 [SIG] w0.2: v2(38.5,-18.75) 37.5,-19.75 35.5,-19.75 33.75,-18 33.75,-8 35.75,-6 v2(38.5,-6)
  Bottom Layer [SIG] w0.2: J1.H11@13.175,-12.065 27.815,-12.065 35.5,-19.75 37.5,-19.75 v2(38.5,-18.75)
FMC_VADJ: C104.1 C106.1 J1.G39 J1.H40 R82.1 R86.2 R88.1 U18.2 U19.31 U19.42 | length 34
  Bottom Layer [SIG] w0.25: U19.31@25.05,9.55 27.5,9.55 ; U19.42@25.05,13.95 27.5,13.95 ; v2(27.5,18.79) 27.5,13.95 ; v2(27.5,20.75) 29,20.75 29.5,20.25 R82.1@29.5,19.725 ; R88.1@29.5,3.775 28.725,3.775 27.5,5 27.5,9.55 ; 27.5,9.55 27.5,13.95
  Bottom Layer [SIG] w0.45: U18.2@25.075,-6.275 27.225,-6.275 28,-5.5 v2(28,1.29)
  other v2: 27,2.225 11.905,23.495 13.175,24.765
FREF: P1.4 pad.3@83.5,28.5 R19.1 R21.1 R23.2 R40.1 | length 50.4
  Top Layer [SIG] w0.125: 82.286,25.75 83.499,26.962 83.499,27.749 pad.3@83.5,28.5
  Top Layer [SIG] w0.25: R23.2@80.7,25.75 R23.2@80.725,25.75 ; R21.1@80.725,24.75 R23.2@80.725,25.75 ; R19.1@80.725,26.75 R23.2@80.725,25.75 ; R40.1@86.525,25.75 84.714,25.75 83.5,24.536 ; P1.4@92.24,-2.54 93.2,-3.5 95.5,-3.5 97.5,-1.5 97.5,2 83.5,16 83.5,24.536 ; R23.2@80.725,25.75 82.286,25.75 83.5,24.536
I_N: C44_LPF-ADC2.1 P1.10 | length 22
  Top Layer [SIG] w0.25: C44_LPF-ADC2.1@77.46,-15.25 ccw(c77.71,-15.25) 77.71,-15.5 78.5,-15.5 ccw(c78.5,-13.95) 80.05,-13.95 80.05,-2.725 cw(c83,-2.725) 83,0.225 84.37,0.225 ccw(c84.37,0.475) 84.547,0.298 ccw(c84.37,0.475) 84.62,0.475 P1.10@84.62,1.27
I_P: C49_LPF-ADC2.1 P1.1 | length 22.1
  Top Layer [SIG] w0.25: C49_LPF-ADC2.1@77.46,-16.25 cw(c77.76,-16.25) 77.76,-15.95 78.5,-15.95 ccw(c78.5,-13.95) 80.5,-13.95 80.5,-2.725 cw(c83,-2.725) 83,-0.225 84.37,-0.225 cw(c84.37,-0.475) 84.547,-0.298 cw(c84.37,-0.475) 84.62,-0.475 P1.1@84.62,-1.27
NetC1_1: C1.1 C2.1 C3.1 R1.1 U1.4 | length 22
  Mid Layer 2 [SIG] w0.5: v2(9.5,-17.5) 9.5,-20.5 15.79,-26.79 v5(20.75,-26.79)
  Bottom Layer [SIG] w0.5: v5(20.75,-26.79) C2.1@22,-26.79 C1.1@23.5,-26.79 ; C1.1@23.5,-27 23.5,-26.975 23.7,-26.775 R1.1@25.75,-26.775
NetC4_1: C4.1 R5.2 R8.2 U3.46 | length 8.2
  Top Layer [SIG] w0.3: U3.46@54.662,10.137 57,12.475 57,13.25 57.696,13.946 58.236,13.946 C4.1@58.29,14 58.27,14.02 58.27,15.255 R5.2@58.25,15.275 R8.2@57,15.275
NetC4_2: C4.2 R6.2 R7.2 U3.45 | length 8.9
  Top Layer [SIG] w0.3: U3.45@55.015,9.783 57.482,12.25 58.25,12.25 59.21,13.21 C4.2@59.21,14 59.23,14.02 59.23,15.255 R6.2@59.25,15.275 R7.2@60.5,15.275
NetC9_1: C9.1 R14.2 U3.41 | length 11.8
  Top Layer [SIG] w0.3: U3.41@56.429,8.369 57.311,9.25 61.75,9.25 64.255,11.755 64.255,13.045 65.495,13.045 R14.2@65.5,13.05
NetC9_2: C9.2 R15.2 | length 1.3
  Top Layer [SIG] w0.3: C9.2@64.25,13.96 R15.2@64.25,15.275
NetC10_1: C10.1 R16.2 U3.44 | length 8.2
  Top Layer [SIG] w0.3: U3.44@55.369,9.429 57.439,11.5 59.5,11.5 60.476,12.476 60.476,13.001 R16.2@60.5,13.025 60.508,13.032 61.743,13.032 C10.1@61.75,13.04
NetC10_2: C10.2 R17.2 | length 1.3
  Top Layer [SIG] w0.3: C10.2@61.75,13.96 R17.2@61.75,15.275
NetC11_1: C11.1 U3.43 | length 9.4
  Top Layer [SIG] w0.3: U3.43@55.722,9.076 57.396,10.75 61.5,10.75 63,12.25 C11.1@63,13.04
NetC18_1: C18.1 R24.2 U4.16 | length 5
  Top Layer [SIG] w0.3: R24.2@57.725,32.5 62.525,32.5 U4.16@62.525,32.3
NetC18_2: C18.2 R27.2 U4.1 | length 4
  Top Layer [SIG] w0.3: R27.2@57.725,31.5 C18.2@58.75,31.5 ; C18.2@58.75,31.54 58.815,31.475 U4.1@61.7,31.475
NetC19_1: C19.1 R25.2 U4.8 | length 5
  Top Layer [SIG] w0.3: U4.8@64.475,28.7 64.475,28.525 64.5,28.5 R25.2@69.275,28.5
NetC19_2: C19.2 R29.2 U4.9 | length 4
  Top Layer [SIG] w0.3: U4.9@65.3,29.525 69.25,29.525 R29.2@69.275,29.5
NetC20_1: C20.1 R24.1 R26.2 R27.1 | length 3.3
  Top Layer [SIG] w0.3: R26.2@56.775,29.25 R27.1@56.775,31.5 R24.1@56.775,32.5
NetC21_1: C21.1 R25.1 R28.2 R29.1 | length 3.2
  Top Layer [SIG] w0.3: R25.1@70.225,28.5 R29.1@70.225,29.5 R28.2@70.225,31.75